# KiCad board arena_12-12_v8_ni.kicad_pcb (continued)
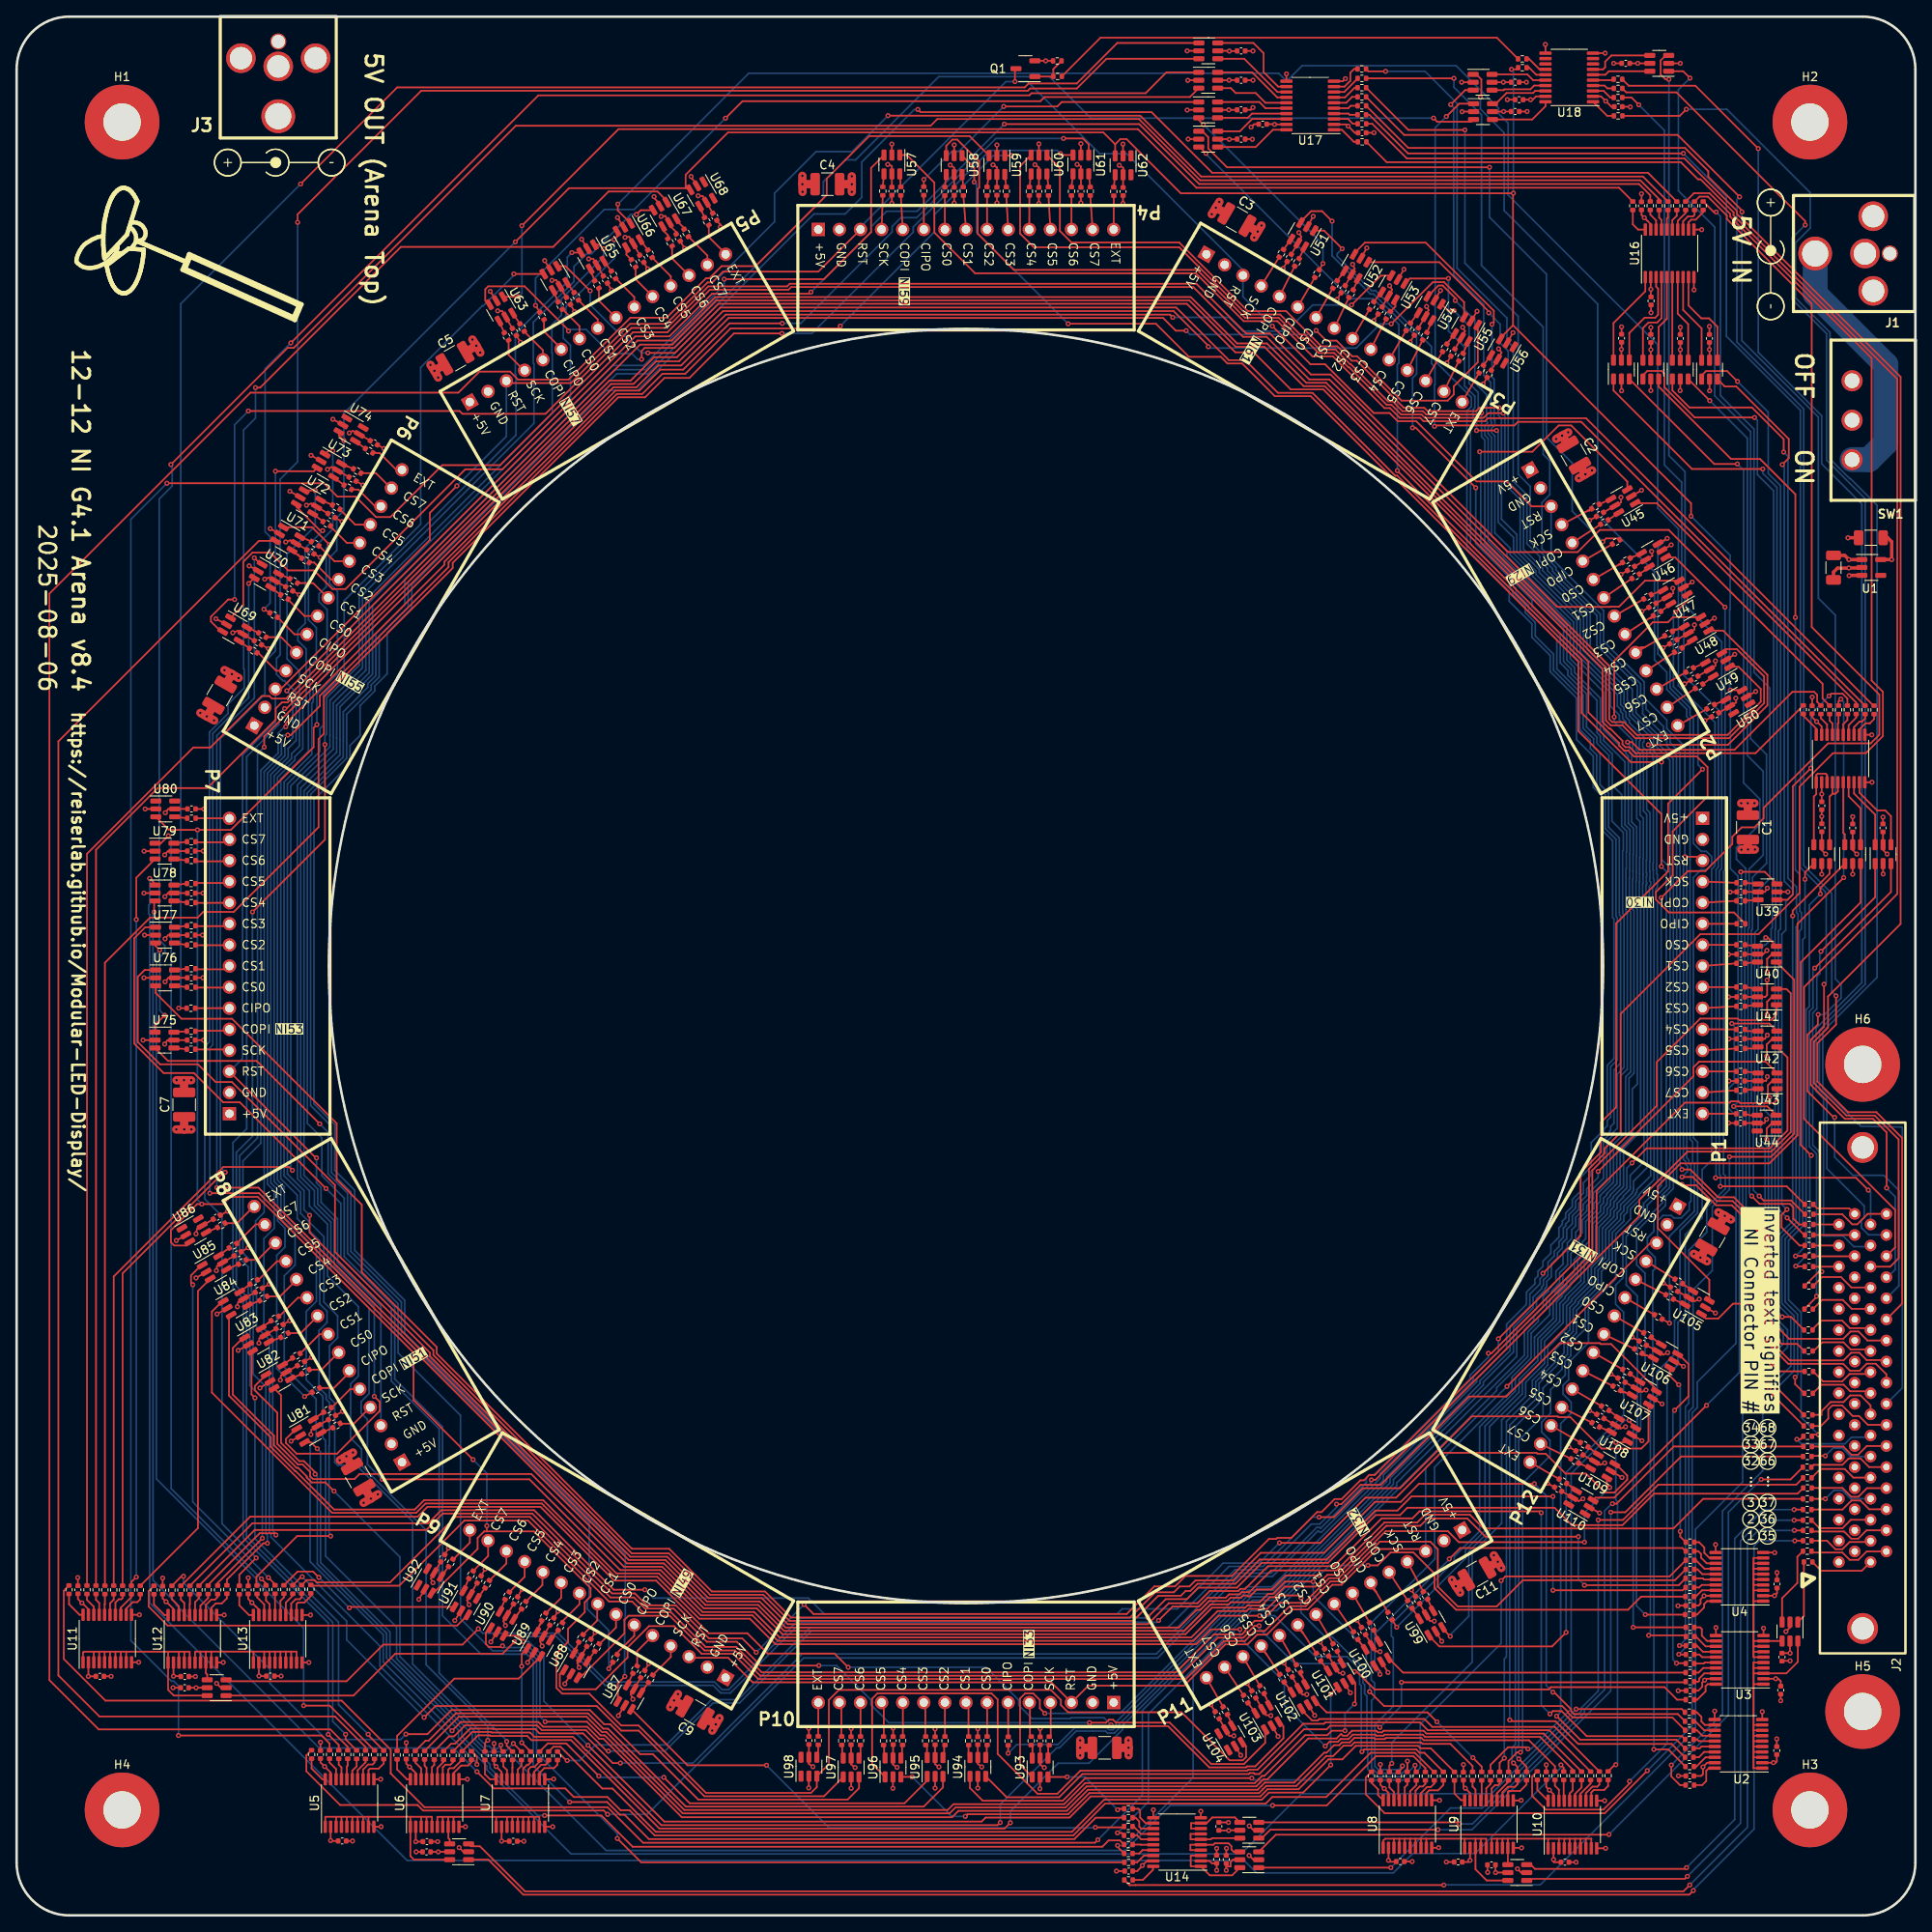
[diagram p0: board, top side]
## Routing (per net, layer and track width the routed paths; a pad name or vN(x,y) marks a point on that pad's centre or on a via; arc(x,y) is an arc through that point) (continued)
/Level Shifters/PAN5V.MOSI_04: length 152.7
  Top w0.2: R141.1 192.92,208 142.05,208 134.99,215.06 72.46,215.06 v1(60.84,203.43) ; U63.1 v1(60.42,194.87)
  Bottom w0.2: v1(60.84,203.43) 60.84,195.28 v1(60.42,194.87)
/Level Shifters/PAN5V.MOSI_05: length 206.9
  Top w0.2: R142.1 196.68,207.09 195.32,208.45 142.37,208.45 135.16,215.66 v1(118.91,215.66) ; U69.1 27.28,157.73 27.28,162.95 28.4,164.07 30.53,164.07 32.67,161.93 35.79,161.93 38.03,159.68 39.6,159.68 54.02,174.1 58.48,174.1 74.48,190.1 78.59,190.1 83.73,195.24 95.44,195.24 v1(95.64,195.44)
  Bottom w0.2: v1(95.64,195.44) 102.87,202.67 102.87,203.29 104.74,205.16 108.41,205.16 v1(118.91,215.66)
/Level Shifters/PAN5V.MOSI_06: length 271
  Top w0.2: R143.1 197.75,206.62 195.48,208.9 142.49,208.9 135.12,216.27 110.84,216.27 110.03,215.46 60.1,215.46 33.36,188.72 32.61,188.72 v1(18.57,174.67) ; U75.1 16.67,107.2 v1(17.82,108.36)
  Bottom w0.2: v1(18.57,174.67) 18.73,174.51 18.73,172.09 17.17,170.53 17.17,117.43 17.84,116.76 17.84,115.96 17.25,115.37 17.25,108.94 v1(17.82,108.36)
/Level Shifters/PAN5V.MOSI_07: length 307.9
  Top w0.2: v1(104.91,216.67) 135.28,216.67 142.6,209.35 195.8,209.35 R144.1 ; v1(43.06,62.48) 43.72,61.83 43.72,60.73 38.58,55.59 33.71,55.59 32.42,56.87 32.42,57.36 33.64,58.58
  Bottom w0.2: v1(104.91,216.67) 100.58,212.35 96.25,212.35 91.25,207.35 91.25,203.91 84.5,197.16 84.5,195.6 75.5,186.6 71.75,186.6 42.85,157.7 42.85,149.42 38.93,145.51 38.93,141.54 38.93,139.71 34.6,135.38 34.6,89.1 36.25,87.45 36.25,85.62 38.24,83.64 38.24,78.22 43.06,73.39 v1(43.06,62.48)
/Level Shifters/PAN5V.MOSI_08: length 338.3
  Top w0.2: U87.1 72.38,27.93 v1(73.23,28.77) ; v1(108.51,217.42) 108.83,217.1 136.64,217.1 143.94,209.8 196.4,209.8 R145.1
  Bottom w0.2: v1(73.23,28.77) 73.2,28.79 73.2,35.6 73.28,35.68 73.28,43.54 46.73,70.1 46.73,74.04 40.7,80.06 40.7,87.3 38.3,89.7 38.3,95.2 35.8,97.7 35.8,134.31 40.13,138.65 40.13,140.84 41.35,142.06 41.35,145.65 43.13,147.42 43.13,148 44.61,149.48 44.61,154.43 47.57,157.4 47.57,160.17 71,183.6 74.75,183.6 95.99,204.84 99.74,204.84 101.75,206.85 101.75,211.1 108.07,217.42 v1(108.51,217.42)
/Level Shifters/PAN5V.MOSI_09: length 265.1
  Top w0.2: U93.1 120.81,18.12 120.81,26.12 121.42,26.73 122.39,26.73 123.19,25.93 123.19,24.93 v1(123.79,24.33) ; R146.1 201.95,207.34 203.81,207.34 206.31,204.85 206.31,204.51 223.33,187.48 223.33,148.67 224.69,147.31 224.69,141.98 222.63,139.92 218.68,139.92 214.66,135.9 214.66,123.07 209.71,118.13 202.71,118.13 193.12,108.55 193.12,94.26 191.19,92.33 191.19,91.76 189.3,89.88 189.3,80.32 v1(178.4,69.42)
  Bottom w0.2: v1(123.79,24.33) 132.83,24.33 148.06,39.55 151.1,39.55 164.15,52.6 164.15,53.2 175.38,64.43 175.38,64.82 178.4,67.84 v1(178.4,69.42)
/Level Shifters/PAN5V.MOSI_10: length 222.6
  Top w0.2: v1(186.55,34.07) 184.86,32.38 171.29,32.38 170.02,33.65 ; R147.1 202.61,206.93 203.61,206.93 205.91,204.64 205.91,204.23 216.12,194.02 216.12,155.11 224.26,146.97 224.26,142.15 223.21,141.1 218.09,141.1 210.33,133.35 210.33,132.09 209.23,130.99 207.69,130.99 206.56,129.85 206.56,128.98 203.3,125.73 201.21,125.73 v1(197.99,122.52)
  Bottom w0.2: v1(197.99,122.52) 197.99,87.83 195.87,85.71 195.87,84.46 193.38,81.97 193.38,76.76 192.51,75.89 192.51,73.57 193.47,72.61 193.47,60.26 186.55,53.34 v1(186.55,34.07)
/Level Shifters/PAN5V.MOSI_11: length 145.4
  Top w0.2: v1(204.62,205.07) 204.32,205.07 R148.1 ; v1(209.35,73.64) 206.64,73.64 204.86,71.86 203.36,71.86 U105.1
  Bottom w0.2: v1(204.62,205.07) 205.12,204.57 205.12,182.99 209.17,178.94 209.17,149.66 211.08,147.75 211.08,124.84 209.66,123.42 209.66,118.72 209.27,118.33 209.27,98.04 209.52,97.79 209.52,93.18 210.5,92.2 210.5,74.79 v1(209.35,73.64)
/Level Shifters/PAN5V.RESET: length 57.9
  Top w0.2: 180.76,223.51 178.21,226.06 130.5,226.06 125.84,221.4
/Level Shifters/PAN5V.SCK_0_H1: length 187.5
  Top w0.2: R125.1 133.97,3.65 134.05,3.65 134.06,3.64 134.7,3.64 134.7,3.65 v1(171.82,3.65) ; v1(207.58,125.63) 210.47,125.63 U39.3
  Bottom w0.2: v1(207.58,125.63) 207.65,125.56 207.65,97.29 207.81,97.14 207.81,52.16 202.13,46.48 202.13,22.37 183.43,3.68 171.85,3.68 v1(171.82,3.65)
/Level Shifters/PAN5V.SCK_0_H2: length 189.2
  Top w0.2: v1(36.49,95.29) 28.91,102.87 18.22,102.87 U75.3 ; v1(72.32,9.26) 75.2,6.39 R126.1
  Bottom w0.2: v1(72.32,9.26) 72.32,9.85 62.6,19.57 62.6,30.84 61.87,31.57 61.87,31.57 61.59,31.85 57.31,31.85 53.44,35.71 53.44,60.2 45.92,67.72 45.92,73.63 39.84,79.72 39.84,86.93 37.5,89.28 37.5,94.28 v1(36.49,95.29)
/Level Shifters/PAN5V.SCK_1_H1: length 226.9
  Top w0.2: R127.1 132.55,8.24 v1(132.55,8.42) ; U45.3 193.92,172.62 187.15,179.38 185.65,179.38 182.48,176.21 v1(176.14,176.21)
  Bottom w0.2: v1(176.14,176.21) 176.27,176.08 176.27,165.1 179.76,161.6 179.76,161.6 180.51,160.86 180.51,160.29 182.44,158.36 182.44,157.59 185.84,154.19 185.84,150.8 186.76,149.88 186.76,149.31 189,147.07 189,143.09 190.27,141.83 190.27,141.11 191.71,139.67 191.71,135.9 192.06,135.55 192.06,131.74 193.44,130.37 193.44,128.24 193.35,128.16 193.35,120.94 193.38,120.92 193.38,120.6 193.52,120.47 193.52,102.08 192.71,101.27 192.71,94.77 192.22,94.28 192.22,93.96 191.45,93.18 191.45,88.59 189.84,86.98 189.84,86.27 189.48,85.92 189.48,85.87 189.04,85.43 189.04,84.82 188.1,83.88 188.1,82.65 187.7,82.25 187.7,81.19 187.29,80.79 187.29,80.42 186.72,79.85 186.72,78.32 185.77,77.36 185.77,76.18 185.42,75.83 185.42,75.77 184.82,75.17 184.82,74.98 184.19,74.35 184.19,73.07 183.2,72.08 183.2,71.51 181.93,70.25 181.93,67.28 178.19,63.54 178.19,63.2 151.67,36.68 148.67,36.68 146.45,34.45 146.56,34.34 146.56,34.01 141.64,29.08 141.64,16.57 133.49,8.42 v1(132.55,8.42)
/Level Shifters/PAN5V.SCK_1_H2: length 129.7
  Top w0.2: U81.3 35.45,56.93 v1(36.19,56.19) ; v1(63.56,12.02) 70.41,12.02 74.17,8.26 130.71,8.26 131.47,9.03 132.84,9.03 R128.1
  Bottom w0.2: v1(63.56,12.02) 62.72,12.02 57,17.74 57,18.16 53.6,21.57 53.6,22.49 44.94,31.14 44.94,34.13 36.59,42.48 36.59,55.79 v1(36.19,56.19)
/Level Shifters/PAN5V.SCK_2_H1: length 242
  Top w0.2: 154.57,203.89 155.86,205.18 157.17,205.18 v1(158.37,203.97) ; R129.1 133.02,9.94 v1(132.53,9.94) ; v1(175.67,171.88) 168.44,179.11 v1(168.06,179.11)
  Bottom w0.2: v1(158.37,203.97) 158.37,199.8 162.98,195.2 163.37,195.2 168.55,190.02 168.55,185.57 168.06,185.08 v1(168.06,179.11) ; v1(132.53,9.94) 136.26,13.67 136.26,24.27 146.12,34.13 146.12,34.21 146.02,34.31 146.02,34.6 148.74,37.31 151.73,37.31 166.16,51.74 166.16,52.07 181.53,67.45 181.53,70.5 182.66,71.62 182.66,72.11 183.78,73.23 183.78,74.51 184.42,75.15 184.42,75.34 184.78,75.7 184.78,75.76 185.33,76.3 185.33,77.56 186.18,78.41 186.18,79.88 186.69,80.39 186.69,80.96 187.23,81.49 187.23,82.54 187.7,83.02 187.7,84.05 188.6,84.95 188.6,85.6 189.44,86.44 189.44,87.14 191.05,88.75 191.05,93.35 191.78,94.08 191.78,94.4 191.91,94.53 191.91,94.98 192.31,95.38 192.31,101.8 193.11,102.6 193.11,120.3 192.97,120.44 192.97,120.75 192.95,120.77 192.95,129.72 191.66,131.01 191.66,135.1 190.63,136.14 190.63,139.88 189.86,140.64 189.86,141.66 188.6,142.92 188.6,146.9 185.44,150.07 185.44,153.61 182.04,157.01 182.04,157.71 180.51,159.24 180.51,159.72 180.11,160.12 180.11,160.69 175.67,165.13 v1(175.67,171.88)
/Level Shifters/PAN5V.SCK_2_H2: length 65.1
  Top w0.2: U87.3 80.77,18.07 v1(90.29,18.07) ; v1(129.87,10.6) 133.22,10.6
  Bottom w0.2: v1(129.87,10.6) 129.82,10.55 97.81,10.55 v1(90.29,18.07)
/Level Shifters/PAN5V.SCK_3_H1: length 322.3
  Top w0.2: U57.3 102.87,210.38 102.87,202.66 97.2,196.99 v1(85.18,196.99) ; v1(66.58,13.65) 71.09,13.65 72.62,12.12 73.18,12.12 76.12,9.19 127.34,9.19 129.92,11.77 R131.1
  Bottom w0.2: v1(66.58,13.65) 62.2,18.03 62.2,30.67 61.42,31.45 55.91,31.45 51.27,36.09 51.27,58.83 45.52,64.58 45.52,73.23 39.44,79.31 39.44,86.36 36.75,89.05 36.75,93.61 35,95.36 35,135.14 39.33,139.47 39.33,141.37 39.33,141.38 39.33,144.9 42.28,147.86 42.28,148.29 43.25,149.26 43.25,154.28 46.73,157.76 46.73,160.83 72,186.1 75.75,186.1 85.18,195.53 v1(85.18,196.99)
/Level Shifters/PAN5V.SCK_3_H2: length 10.9
  Top w0.2: R132.1 132.67,12.84 v1(132.55,12.72) ; U93.3 v1(126.47,16.67)
  Bottom w0.2: v1(126.47,16.67) 128.61,16.67 v1(132.55,12.72)
/Level Shifters/PAN5V.SCK_4_H1: length 196.9
  Top w0.2: v1(66.44,190.75) 66.44,190.85 61.16,196.13 56.78,196.13 56.42,195.77 56.42,194.44 U63.3 ; v1(75.25,187.35) 75.25,188.35 75.61,188.71 79.19,188.71 84.51,194.03 140.89,194.03 146.73,188.19 148.93,188.19 153.4,183.71 157.31,183.71 190.94,150.09 190.94,143.69 191.76,142.87 191.88,142.87 193.34,141.41 193.34,141 193.69,140.65 194.22,140.65 194.94,139.93 209.36,139.93 R133.1
  Bottom w0.2: v1(66.44,190.75) 66.63,190.94 68.56,190.94 71.48,188.02 74.08,188.02 74.75,187.35 v1(75.25,187.35)
/Level Shifters/PAN5V.SCK_4_H2: length 146.6
  Top w0.2: 217.23,145.66 216.78,146.1 216.78,146.94 216.41,147.3 213.79,147.3 206.82,140.33 195.39,140.33 194.47,141.25 v1(193.94,141.25) ; 171.67,34.53 v1(172.6,33.6)
  Bottom w0.2: v1(172.6,33.6) 172.6,33.79 174.84,36.02 174.84,43.82 177.33,46.31 177.33,58.84 181.28,62.79 181.28,64.34 183.54,66.6 183.54,69.26 185.79,71.51 185.79,73.68 186.43,74.32 186.43,74.51 188.33,76.41 188.33,78.62 189.3,79.59 189.3,79.96 189.71,80.36 189.71,83.21 191.09,84.6 191.09,85.25 191.45,85.61 191.45,85.74 191.49,85.78 191.49,86.22 191.85,86.58 191.85,86.71 192.9,87.77 193.06,87.92 193.06,88.21 193.06,88.21 193.06,92.48 194.52,93.95 194.52,99.49 195.12,100.09 195.12,121.13 194.98,121.27 194.98,121.58 194.96,121.6 194.96,124.54 195,124.58 195,125.55 195,125.55 195,127.54 195.04,127.58 195.04,131.04 194.44,131.64 194.44,139.74 194.17,140.02 194.17,141.02 v1(193.94,141.25)
/Level Shifters/PAN5V.SCK_5_H1: length 250.7
  Top w0.2: 218.27,145.66 217.43,146.5 217.43,148.27 198.9,166.8 190.6,166.8 187.93,164.13 179.57,164.13 158.19,185.52 155.82,185.52 150.88,190.45 148.02,190.45 142.03,196.44 93.09,196.44 92.76,196.12 83.27,196.12 78.27,191.12 74.02,191.12 63.68,180.78 53.67,180.78 53.34,181.12 v1(27.9,181.12) ; 24.6,154.57 23.4,155.78 23.4,156.35 25.47,158.42 v1(26.24,158.42)
  Bottom w0.2: v1(26.24,158.42) 26.24,179.46 v1(27.9,181.12)
/Level Shifters/PAN5V.SCK_5_H2: length 91.5
  Top w0.2: 219.35,145.66 219.35,146.14 v1(219.63,146.43) ; v1(219.97,124.94) 214.4,119.37 214.4,93.92 211.02,90.54 200.32,90.54 197.59,87.8 197.59,82.73 203.79,76.53 U105.3
  Bottom w0.2: v1(219.97,124.94) 219.97,146.09 v1(219.63,146.43)
/Panel Headers/CS_00_P01: length 4.1
  Top w0.2: P1.7 207.05,116.84
/Panel Headers/CS_00_P02: length 4.6
  Top w0.2: 192.92,162.63 R178.2 193.1,162.63 192.92,162.63 ; 192.92,162.63 190.94,161.49 P2.7
/Panel Headers/CS_00_P03: length 4
  Top w0.2: 158.45,195.87 157.09,193.5 156.44,192.36
/Panel Headers/CS_00_P04: length 4.1
  Top w0.2: R202.2 P4.7
/Panel Headers/CS_00_P05: length 4.4
  Top w0.2: P5.7 67.76,191.34 65.74,193.36
/Panel Headers/CS_00_P06: length 4.4
  Top w0.2: 32.69,158.41 34.66,156.44 P6.7
/Panel Headers/CS_00_P07: length 4
  Top w0.2: 21.59,111.7 25.57,111.7
/Panel Headers/CS_00_P08: length 4.4
  Top w0.2: 38.76,67.76 36.71,65.71 R250.2
/Panel Headers/CS_00_P09: length 4.4
  Top w0.2: P9.7 72.16,34.66 70.19,32.69
/Panel Headers/CS_00_P10: length 4.1
  Top w0.2: R274.2 P10.7
/Panel Headers/CS_00_P11: length 4.1
  Top w0.2: R286.2 P11.7
/Panel Headers/CS_00_P12: length 4
  Top w0.2: 195.87,70.15 P12.7
/Panel Headers/CS_01_P01: length 4.1
  Top w0.2: R167.2 P1.8
/Panel Headers/CS_01_P02: length 4.1
  Top w0.2: P2.8 192.83,159.83 194.48,160.96
/Panel Headers/CS_01_P03: length 4.1
  Top w0.2: P3.8 R191.2
/Panel Headers/CS_01_P04: length 4.1
  Top w0.2: R203.2 P4.8
/Panel Headers/CS_01_P05: length 4.3
  Top w0.2: P5.8 69.96,192.14 67.64,194.46
/Panel Headers/CS_01_P06: length 4.3
  Top w0.2: 37.46,158.64 35.7,160.4 33.9,160.4
/Panel Headers/CS_01_P07: length 3.6
  Top w0.2: 21.61,113.9 25.23,113.9
/Panel Headers/CS_01_P08: length 4.3
  Top w0.2: P8.8 36.46,69.96 34.14,67.64
/Panel Headers/CS_01_P09: length 4.4
  Top w0.2: 68.19,33.8 69.9,35.51 69.9,37.44
/Panel Headers/CS_01_P10: length 3.8
  Top w0.2: 114.6,21.55 114.6,25.33
/Panel Headers/CS_01_P11: length 4
  Top w0.2: 160.9,34.21 P11.8
/Panel Headers/CS_01_P12: length 4.1
  Top w0.2: 194.8,68.19 P12.8
/Panel Headers/CS_02_P01: length 4.1
  Top w0.2: P1.9 207.06,111.76
/Panel Headers/CS_02_P02: length 4.1
  Top w0.2: P2.9 R180.2
/Panel Headers/CS_02_P03: length 4.1
  Top w0.2: R192.2 P3.9
/Panel Headers/CS_02_P04: length 4.1
  Top w0.2: R204.2 P4.9
/Panel Headers/CS_02_P05: length 4.4
  Top w0.2: 72.14,192.36 70.11,194.39 R216.2
/Panel Headers/CS_02_P06: length 4.4
  Top w0.2: P6.9 37.86,160.84 35.82,162.88 R228.2
/Panel Headers/CS_02_P07: length 4
  Top w0.2: 21.56,116.8 25.59,116.8
/Panel Headers/CS_02_P08: length 4.4
  Top w0.2: R252.2 34.21,70.11 36.24,72.14
/Panel Headers/CS_02_P09: length 4.4
  Top w0.2: P9.9 67.76,37.46 65.72,35.42 R264.2
/Panel Headers/CS_02_P10: length 4.1
  Top w0.2: R276.2 P10.9
/Panel Headers/CS_02_P11: length 4.1
  Top w0.2: R288.2 P11.9
/Panel Headers/CS_02_P12: length 4.1
  Top w0.2: R300.2 P12.9
/Panel Headers/CS_03_P01: length 4.1
  Top w0.2: R169.2 P1.10
/Panel Headers/CS_03_P02: length 4.7
  Top w0.2: 196.6,156.18 196.76,156.18 R181.2 196.6,156.18 ; 196.6,156.18 P2.10
/Panel Headers/CS_03_P03: length 4.1
  Top w0.2: R193.2 P3.10
/Panel Headers/CS_03_P04: length 4.1
  Top w0.2: R205.2 P4.10
/Panel Headers/CS_03_P05: length 4.3
  Top w0.2: P5.10 74.36,194.84 72.14,197.06
/Panel Headers/CS_03_P06: length 4.4
  Top w0.2: 36.42,164.88 38.26,163.04 P6.10
/Panel Headers/CS_03_P07: length 3.8
  Top w0.2: 21.58,119.1 25.35,119.1
/Panel Headers/CS_03_P08: length 4.2
  Top w0.2: 31.64,72.14 33.86,74.36 P8.10
/Panel Headers/CS_03_P09: length 4.4
  Top w0.2: P9.10 65.56,38.23 63.72,36.39
/Panel Headers/CS_03_P10: length 3.9
  Top w0.2: 109.4,21.59 109.4,25.45
/Panel Headers/CS_03_P11: length 4.9
  Top w0.2: 154.89,33.97 154.24,34.62 ; 154.89,33.97 P11.10 ; 154.89,33.97 156.44,31.6
/Panel Headers/CS_03_P12: length 4.1
  Top w0.2: R301.2 P12.10
/Panel Headers/CS_04_P01: length 4.1
  Top w0.2: R170.2 P1.11
/Panel Headers/CS_04_P02: length 6
  Top w0.2: 197.99,153.81 196.04,152.69 ; 197.99,153.81 198.19,153.81 R182.2 197.99,153.81 ; 196.04,152.69 P2.11 195.55,152.69 196.04,152.69
/Panel Headers/CS_04_P03: length 4.1
  Top w0.2: R194.2 P3.11
/Panel Headers/CS_04_P04: length 4.1
  Top w0.2: R206.2 P4.11
/Panel Headers/CS_04_P05: length 4.4
  Top w0.2: R218.2 74.53,196.97 76.56,194.94
/Panel Headers/CS_04_P06: length 4.4
  Top w0.2: 37.78,167.22 39.76,165.24 P6.11
/Panel Headers/CS_04_P07: length 4
  Top w0.2: 21.57,121.9 25.61,121.9
/Panel Headers/CS_04_P08: length 4.4
  Top w0.2: 33.7,76.51 31.72,74.53 R254.2
/Panel Headers/CS_04_P09: length 4.3
  Top w0.2: R266.2 63.3,39.77 63.3,41.3
/Panel Headers/CS_04_P10: length 4
  Top w0.2: 106.7,21.57 106.7,25.61
/Panel Headers/CS_04_P11: length 4.1
  Top w0.2: R290.2 P11.11
/Panel Headers/CS_04_P12: length 4.1
  Top w0.2: R302.2 190.3,61.61 P12.11
/Panel Headers/CS_05_P01: length 4.1
  Top w0.2: R171.2 P1.12
/Panel Headers/CS_05_P02: length 4.1
  Top w0.2: 196.19,149.85 199.58,152.07
/Panel Headers/CS_05_P03: length 4.1
  Top w0.2: P3.12 168.09,187.3 169.07,189.25 R195.2
/Panel Headers/CS_05_P04: length 4.1
  Top w0.2: R207.2 P4.12
/Panel Headers/CS_05_P05: length 4.3
  Top w0.2: 76.51,199.59 78.76,197.34 P5.12
/Panel Headers/CS_05_P06: length 4.4
  Top w0.2: P6.12 40.76,167.44 38.92,169.28
/Panel Headers/CS_05_P07: length 3.9
  Top w0.2: 21.6,124.3 25.46,124.3
/Panel Headers/CS_05_P08: length 4.2
  Top w0.2: 29.11,76.51 31.36,78.76 P8.12
/Panel Headers/CS_05_P09: length 4.4
  Top w0.2: P9.12 61.16,40.76 59.32,38.92
/Panel Headers/CS_05_P10: length 3.8
  Top w0.2: 104.4,21.56 104.4,25.37
/Panel Headers/CS_05_P11: length 5
  Top w0.2: 150.49,31.43 149.84,32.08 ; 150.49,31.43 P11.12 ; 150.49,31.43 152.09,28.99
/Panel Headers/CS_05_P12: length 4.1
  Top w0.2: R303.2 P12.12
/Panel Headers/CS_06_P01: length 4.1
  Top w0.2: R172.2 P1.13
/Panel Headers/CS_06_P02: length 4.1
  Top w0.2: 200.98,149.68 P2.13
/Panel Headers/CS_06_P03: length 4.1
  Top w0.2: P3.13 R196.2
/Panel Headers/CS_06_P04: length 4.1
  Top w0.2: R208.2 P4.13
/Panel Headers/CS_06_P05: length 4.4
  Top w0.2: R220.2 78.92,199.48 80.96,197.44
/Panel Headers/CS_06_P06: length 3.7
  Top w0.2: 40.35,171.66 41.14,171.66 43.16,169.64
/Panel Headers/CS_06_P07: length 3.9
  Top w0.2: 21.64,126.9 25.53,126.9
/Panel Headers/CS_06_P08: length 4.3
  Top w0.2: 31.06,80.96 29.02,78.92 R256.2
/Panel Headers/CS_06_P09: length 4.4
  Top w0.2: 56.92,40.32 58.96,42.36 P9.13
/Panel Headers/CS_06_P10: length 4.1
  Top w0.2: R280.2 P10.13
/Panel Headers/CS_06_P11: length 4.7
  Top w0.2: 149.68,27.62 148.09,30.37 ; 148.09,30.37 147.64,30.83 ; 148.09,30.37 P11.13
/Panel Headers/CS_06_P12: length 4
  Top w0.2: 188.25,56.94 P12.13
/Panel Headers/CS_07_P01: length 4.1
  Top w0.2: R173.2 P1.14
/Panel Headers/CS_07_P02: length 4.1
  Top w0.2: R185.2 198.71,145.44
/Panel Headers/CS_07_P03: length 4.1
  Top w0.2: P3.14 R197.2
/Panel Headers/CS_07_P04: length 4.1
  Top w0.2: R209.2 P4.14
/Panel Headers/CS_07_P05: length 4.3
  Top w0.2: 80.89,202.11 83.16,199.84 P5.14
/Panel Headers/CS_07_P06: length 4.4
  Top w0.2: 45.06,171.84 43.26,173.64 R233.2
/Panel Headers/CS_07_P07: length 3.7
  Top w0.2: 21.6,129.2 25.29,129.2
/Panel Headers/CS_07_P08: length 4.3
  Top w0.2: 26.49,80.89 28.8,83.2 29.85,83.2
/Panel Headers/CS_07_P09: length 4.4
  Top w0.2: P9.14 56.77,43.27 54.96,41.46
/Panel Headers/CS_07_P10: length 3.8
  Top w0.2: 99.3,21.58 99.3,25.39
/Panel Headers/CS_07_P11: length 4.1
  Top w0.2: 145.44,29.89 R293.2
/Panel Headers/CS_07_P12: length 4.1
  Top w0.2: R305.2 P12.14
/Panel Headers/EXT_INT_P01: length 4.1
  Top w0.2: R174.2 P1.15
/Panel Headers/EXT_INT_P02: length 4.1
  Top w0.2: R186.2 201.12,143.89 P2.15
/Panel Headers/EXT_INT_P03: length 4.4
  Top w0.2: 175.93,185.47 R198.2 175.93,185.58 175.93,185.47 ; 175.93,185.47 174.03,182.2
/Panel Headers/EXT_INT_P04: length 4.1
  Top w0.2: R210.2 P4.15
/Panel Headers/EXT_INT_P05: length 4.3
  Top w0.2: 85.36,200.04 83.34,202.06 R222.2
/Panel Headers/EXT_INT_P06: length 3.6
  Top w0.2: 42.91,176.06 43.7,176.06 45.72,174.03
/Panel Headers/EXT_INT_P07: length 4.1
  Top w0.2: 21.56,132.09 25.62,132.09
/Panel Headers/EXT_INT_P08: length 4.3
  Top w0.2: R258.2 26.54,83.34 28.56,85.36
/Panel Headers/EXT_INT_P09: length 4.3
  Top w0.2: 52.58,42.88 54.57,44.87 P9.15
/Panel Headers/EXT_INT_P10: length 4.1
  Top w0.2: R282.2 P10.15
/Panel Headers/EXT_INT_P11: length 4.1
  Top w0.2: R294.2 P11.15
/Panel Headers/EXT_INT_P12: length 4
  Top w0.2: 185.68,52.55 182.2,54.57
/Panel Headers/MISO_00_P01: length 4.1
  Top w0.2: P1.6 R165.2
/Panel Headers/MISO_01_P02: length 4.1
  Top w0.2: P2.6 R177.2
/Panel Headers/MISO_02_P03: length 4.1
  Top w0.2: P3.6 154.89,194.76 R189.2
/Panel Headers/MISO_03_P04: length 4.1
  Top w0.2: R201.2 P4.6
/Panel Headers/MISO_04_P05: length 4.3
  Top w0.2: 65.56,188.64 63.5,190.7 R213.2
/Panel Headers/MISO_05_P06: length 4.4
  Top w0.2: R225.2 33.46,154.24 P6.6
/Panel Headers/MISO_06_P07: length 4.1
  Top w0.2: R237.2 P7.6
/Panel Headers/MISO_07_P08: length 4.3
  Top w0.2: R249.2 38.2,63.5 40.05,65.35
/Panel Headers/MISO_08_P09: length 4.4
  Top w0.2: 72.2,31.5 74.36,33.66 P9.6
/Panel Headers/MISO_09_P10: length 4.1
  Top w0.2: R273.2 P10.6
/Panel Headers/MISO_10_P11: length 5
  Top w0.2: 163.69,38.92 P11.6 ; 163.69,38.92 163.04,39.57 ; 163.69,38.92 164.39,37.7 R285.2
/Panel Headers/MISO_11_P12: length 4.1
  Top w0.2: P12.6 194.76,73.71 196.34,72.8 R297.2
/Panel Headers/MOSI_00_P01: length 4.1
  Top w0.2: R164.2 P1.5
/Panel Headers/MOSI_01_P02: length 4.1
  Top w0.2: P2.5 188.28,165.89 R176.2
/Panel Headers/MOSI_02_P03: length 4.1
  Top w0.2: P3.5 152.69,196.19 153.89,198.57
/Panel Headers/MOSI_03_P04: length 4.1
  Top w0.2: R200.2 P4.5
/Panel Headers/MOSI_04_P05: length 4.3
  Top w0.2: P5.5 63.36,188.44 61.11,190.69
/Panel Headers/MOSI_05_P06: length 4.4
  Top w0.2: R224.2 31.84,153.89 P6.5
/Panel Headers/MOSI_06_P07: length 3.9
  Top w0.2: 21.58,106.5 25.45,106.5
/Panel Headers/MOSI_07_P08: length 4.3
  Top w0.2: P8.5 40.16,63.36 37.96,61.16
/Panel Headers/MOSI_08_P09: length 4.4
  Top w0.2: 76.56,33.66 74.71,31.81 R260.2
/Panel Headers/MOSI_09_P10: length 3.9
  Top w0.2: 122,21.68 122,25.55
/Panel Headers/MOSI_10_P11: length 4.1
  Top w0.2: R284.2 P11.5
/Panel Headers/MOSI_11_P12: length 4.1
  Top w0.2: 198.57,74.71 P12.5
/Panel Headers/RESET: length 559
  Top w0.2: 202.52,127.45 v1(200.85,127.45) ; 59.22,184.48 66.73,184.48 73.85,191.6 78.18,191.6 83.18,196.6 83.75,196.6 85.05,197.9 96.52,197.9 P4.3 ; v1(53,172.1) 49.75,168.85 49.75,165.6 31.79,147.64 ; v1(151.19,191.33) 155.77,186.75 157.52,186.75 163.39,180.88 165.29,180.88 166.27,179.89 168.5,179.89 175.75,172.64 179.39,172.64 182.39,169.64 P2.3 ; v1(179.43,63.69) 196.7,80.96 P12.3 ; P7.3 36.03,91.2 v1(36.1,91.2) ; 169.38,44.11 163.81,44.11 159.5,39.8 158.4,39.8 155.43,36.83 153.55,36.83 150.52,33.8 149.36,33.8 148.19,32.63 145.52,32.63 140.55,27.66 129.03,27.66 P10.3 124.57,28.06 88.63,28.06 85.67,31.01 81.11,31.01 ; v1(120.19,220.77) 120.19,222.21
  Bottom w0.2: v1(36.1,91.2) 36.1,88.2 36.65,87.65 36.65,85.85 38.64,83.86 38.64,78.58 43.86,73.37 P8.3 ; P11.3 169.64,53.89 v1(179.43,63.69) ; 147.64,198.09 133.64,212.09 130.41,212.09 121.73,220.77 v1(120.19,220.77) 119.1,220.77 101.6,203.27 ; P2.3 184.74,163.44 185.73,162.45 185.73,162.42 191.06,157.09 191.06,153.39 195.95,148.5 195.95,146.63 198.67,143.91 198.67,142.9 200.85,140.72 v1(200.85,127.45) 201.07,127.23 201.07,126.94 201.07,126.94 201.07,125.66 201.07,125.66 201.07,91.2 201.32,90.95 201.32,90.6 201.58,90.35 201.58,85.98 201.38,85.78 201.38,84.94 200.4,83.97 199.51,83.97 199.21,84.27 198.22,84.27 197.55,83.6 197.55,81.07 ; P3.3 147.64,194.88 v1(151.19,191.33) ; v1(53,172.1) 58.96,178.06 P5.3 ; P6.3 31.16,143.66 27.2,139.71 27.2,103.18 P7.3
/Panel Headers/SCK_0_H1_P01: length 4.1
  Top w0.2: 207.08,124.32 P1.4
/Panel Headers/SCK_0_H2_P07: length 4
  Top w0.2: 21.54,104.25 25.51,104.25
/Panel Headers/SCK_1_H1_P02: length 4.7
  Top w0.2: P2.4 189.19,169.13 ; 189.19,169.13 R175.2 189.4,169.13 189.19,169.13
/Panel Headers/SCK_1_H2_P08: length 4.4
  Top w0.2: 42.56,61.16 40.6,59.2 38.99,59.2
/Panel Headers/SCK_2_H1_P03: length 4
  Top w0.2: 151.98,199.6 P3.4
/Panel Headers/SCK_2_H2_P09: length 4.4
  Top w0.2: R259.2 78.76,31.11 P9.4
/Panel Headers/SCK_3_H1_P04: length 4.1
  Top w0.2: R199.2 P4.4
/Panel Headers/SCK_3_H2_P10: length 4.1
  Top w0.2: 124.5,25.59 124.5,21.7 124.32,21.52
/Panel Headers/SCK_4_H1_P05: length 4.4
  Top w0.2: R211.2 59.23,187.87 61.09,186.01
/Panel Headers/SCK_4_H2_P11: length 4.1
  Top w0.2: R283.2 P11.4
/Panel Headers/SCK_5_H1_P06: length 4.5
  Top w0.2: P6.4 31.26,149.84 28.94,152.16
/Panel Headers/SCK_5_H2_P12: length 4
  Top w0.2: 199.6,76.62 P12.4
/Power & Voltage Regulators/SW_5V: length 31.2
  Bottom w3: 216.54,200.08 216.54,195.2 225.04,186.69 225.04,177.29 223.01,175.26 SW1.1
Net-(J2-Pin_29): length 3.1
  Top w0.2: 219.39,78.1 216.31,78.1
Net-(J2-Pin_30): length 4.9
  Top w0.2: 221.27,79.35 216.36,79.35
Net-(J2-Pin_31): length 3.1
  Top w0.2: 219.39,80.65 216.3,80.65
Net-(J2-Pin_32): length 5
  Top w0.2: 221.29,81.92 216.32,81.92
Net-(J2-Pin_33): length 3.1
  Top w0.2: 219.39,83.18 216.31,83.18
Net-(J2-Pin_34): length 5.5
  Top w0.2: J2.34 220.62,85.13 216.77,85.13 R28.1
Net-(J2-Pin_35): length 7.9
  Top w0.2: R1.1 217.26,41.49 222.15,41.49 J2.35
Net-(J2-Pin_36): length 9.6
  Top w0.2: 216.26,43.68 219.82,43.68 220.69,42.81 221.73,42.81 222.74,43.82 J2.36
Net-(J2-Pin_37): length 7.8
  Top w0.2: R3.1 217.95,45.11 218.98,44.08 219.81,44.08 220.68,44.95 223.07,44.95
Net-(J2-Pin_38): length 9.7
  Top w0.2: 216.22,46.22 220.02,46.22 220.88,45.35 221.71,45.35 222.71,46.36 J2.38
Net-(J2-Pin_39): length 7.9
  Top w0.2: J2.39 220.83,47.63 219.83,46.62 217.05,46.62 R5.1
Net-(J2-Pin_40): length 9.9
  Top w0.2: R6.1 219.82,48.86 220.91,49.95 221.98,49.95 223.03,48.9 J2.40
Net-(J2-Pin_41): length 7.9
  Top w0.2: R7.1 v1(217.76,50.15)
  Bottom w0.2: J2.41 220.81,50.17 219.81,51.17 218.77,51.17 v1(217.76,50.15)
Net-(J2-Pin_42): length 9.9
  Top w0.2: J2.42 222.78,51.44 221.74,50.4 220.88,50.4 219.82,51.46 R8.1
Net-(J2-Pin_43): length 8
  Top w0.2: 223.2,52.71 221.13,52.71 220.08,53.75 217.17,53.75 R9.1
Net-(J2-Pin_44): length 9.9
  Top w0.2: J2.44 223.03,53.98 221.99,55.02 220.58,55.02 219.81,54.24 216.35,54.24 R10.1
Net-(J2-Pin_45): length 7.8
  Top w0.2: v1(217.76,55.32) 216.17,55.32
  Bottom w0.2: v1(217.76,55.32) 218.68,56.25 219.81,56.25 220.81,55.25 J2.45
Net-(J2-Pin_46): length 9.8
  Top w0.2: R12.1 219.92,56.45 220.91,55.46 221.7,55.46 222.75,56.52 J2.46
Net-(J2-Pin_47): length 10.1
  Top w0.2: R13.1 214.76,57.32 v1(214.33,57.32)
  Bottom w0.2: 222.98,57.57 220.91,57.57 220.12,56.78 214.87,56.78 v1(214.33,57.32)
Net-(J2-Pin_48): length 11.6
  Top w0.2: J2.48 222.89,59.06 221.82,60.13 221.05,60.13 219.77,61.4 218.6,61.4 218.11,60.91 218.11,59.81 217.22,58.92 R14.1